# Altium PCB Board_EP1C6T144I8N.PcbDoc (part 2 of 2)
Units mm, origin at the board's own origin, x right, y up, seen from the top; angles counter-clockwise.
Board outline 69 x 86 mm, 2 copper layers (Top Layer, Bottom Layer), stack 1.569 mm thick; 125 components, 148 nets, 604 pads, 255 vias.
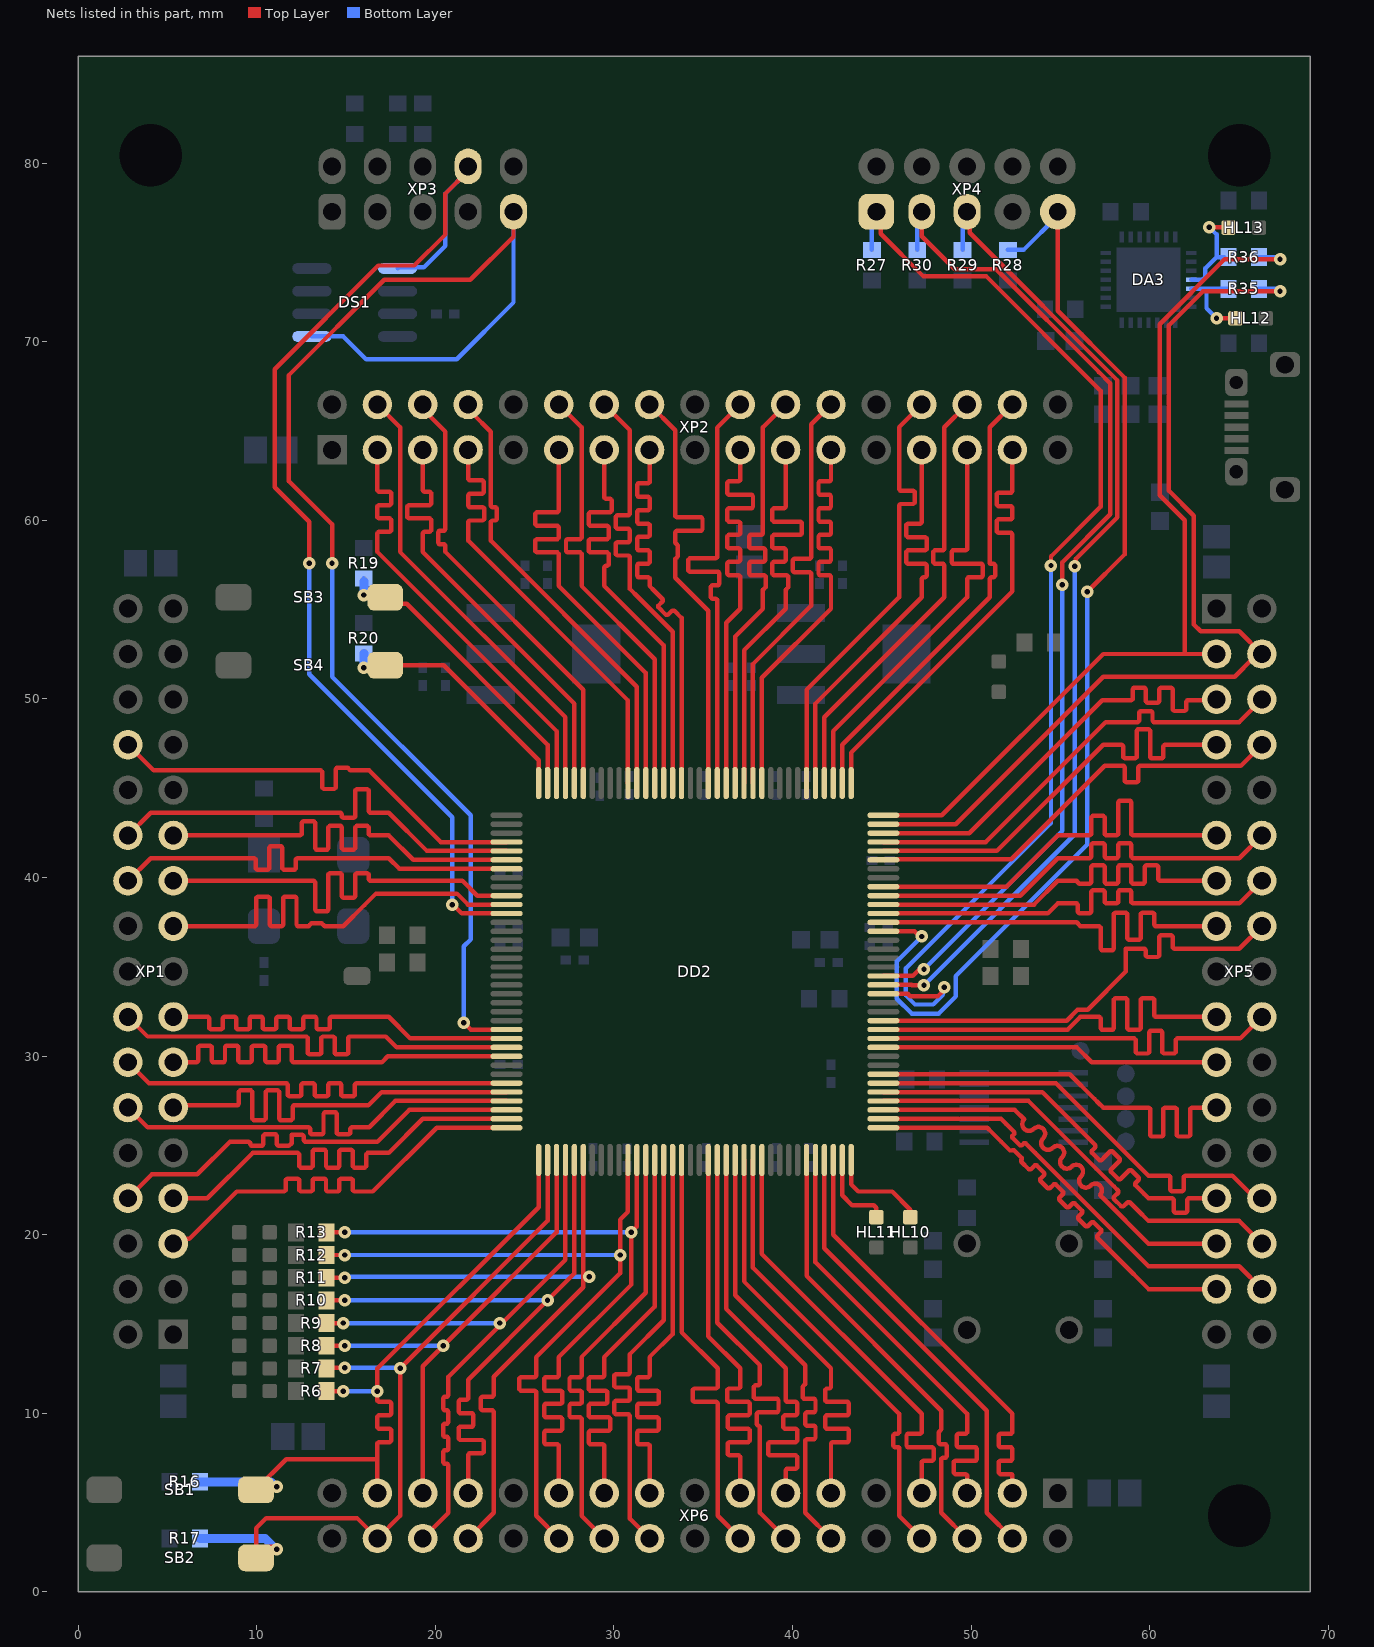
[diagram p2: the nets of this part, all layers, seen from the top]

## Via types
v1: diameter 0.7, hole 0.3, Top Layer to Bottom Layer, tented both sides, 254 vias
v2: diameter 0.6, hole 0.3, Top Layer to Bottom Layer, tented both sides, 1 vias

## Nets (pads, with @x,y where several pads share a name; then routed paths per layer and width w, separated by ;. In a path a pad name is that pad's centre, name@x,y a point inside that pad or via, vN(x,y) a via of type N, cw(c..) or ccw(c..) an arc to the next point about the centre after c; other vN are vias at no path point) (continued)
Pin4: DD2.4 XP1.28 | length 25.6
  Top Layer w0.25: XP1.28@2.79,47.44 4.23,46 7.362,46 13.595,46 13.67,45.925 13.67,45.034 13.745,44.959 14.345,44.959 14.42,45.034 14.42,46 14.42,46.075 14.495,46.15 15.095,46.15 15.17,46.075 15.245,46 15.92,46 16.295,46 20.305,41.99 DD2.4@23.99,41.99
Pin5: DD2.5 XP1.24 | length 25.6
  Top Layer w0.25: XP1.24@2.79,42.36 4.06,43.63 10.029,43.63 14.695,43.63 14.77,43.555 14.77,43.414 14.845,43.339 15.445,43.339 15.52,43.414 15.52,43.63 15.52,44.88 15.595,44.955 16.195,44.955 16.27,44.88 16.27,43.705 16.345,43.63 17.02,43.63 17.395,43.63 19.535,41.49 DD2.5@23.99,41.49
Pin6: DD2.6 XP1.23 | length 25.6
  Top Layer w0.25: XP1.23@5.33,42.36 8.759,42.36 12.445,42.36 12.52,42.435 12.52,43.076 12.595,43.151 13.195,43.151 13.27,43.076 13.27,42.36 13.27,41.644 13.345,41.569 13.945,41.569 14.02,41.644 14.02,42.36 14.02,42.814 14.095,42.889 14.695,42.889 14.77,42.814 14.77,42.36 14.77,41.644 14.845,41.569 15.445,41.569 15.52,41.644 15.52,42.36 15.52,42.814 15.595,42.889 16.195,42.889 16.27,42.814 16.27,42.435 16.345,42.36 17.02,42.36 17.395,42.36 18.765,40.99 DD2.6@23.99,40.99
Pin7: DD2.7 XP1.22 | length 25.6
  Top Layer w0.25: XP1.22@2.79,39.82 4.06,41.09 6.854,41.09 9.869,41.09 9.944,41.015 9.944,40.509 10.019,40.434 10.619,40.434 10.694,40.509 10.694,41.09 10.694,41.671 10.769,41.746 11.369,41.746 11.444,41.671 11.444,41.09 11.444,40.509 11.519,40.434 12.119,40.434 12.194,40.509 12.194,41.015 12.269,41.09 12.569,41.09 17.395,41.09 17.995,40.49 DD2.7@23.99,40.49
Pin10: DD2.10 XP1.21 | length 25.6
  Top Layer w0.25: XP1.21@5.33,39.82 12.823,39.82 13.195,39.82 13.27,39.745 13.27,38.196 13.345,38.121 13.945,38.121 14.02,38.196 14.02,39.82 14.02,40.174 14.095,40.249 14.695,40.249 14.77,40.174 14.77,39.82 14.77,38.952 14.845,38.877 15.445,38.877 15.52,38.952 15.52,39.82 15.52,40.174 15.595,40.249 16.195,40.249 16.27,40.174 16.27,39.895 16.345,39.82 17.02,39.82 17.395,39.82 21.521,39.82 22.351,38.99 DD2.10@23.99,38.99
Pin11: DD2.11 XP1.19 | length 26.1
  Top Layer w0.25: XP1.19@5.33,37.28 7.235,37.28 9.905,37.28 9.98,37.355 9.98,38.862 10.055,38.937 10.655,38.937 10.73,38.862 10.73,37.355 10.805,37.28 11.405,37.28 11.48,37.355 11.48,38.862 11.555,38.937 12.155,38.937 12.23,38.862 12.23,37.355 12.305,37.28 12.905,37.28 12.98,37.355 13.055,37.43 13.655,37.43 13.73,37.355 13.805,37.28 14.48,37.28 14.855,37.28 16.065,38.49 16.681,39.106 21.214,39.106 21.83,38.49 DD2.11@23.99,38.49
Pin12: DD2.12 DS1.1 XP3.8 | length 62.6
  Top Layer w0.25: v1(12.95,57.6) 12.95,59.919 11.007,61.862 11.007,68.472 16.81,74.275 17.572,74.275 18.83,74.275 20.57,76.015 20.57,78.305 21.84,79.575 XP3.8@21.84,79.825 ; v1(20.955,38.481) 20.998,38.481 21.489,37.99 DD2.12@23.99,37.99
  Bottom Layer w0.25: v1(12.95,57.6) 12.95,51.389 20.955,43.384 v1(20.955,38.481) ; DS1.1@17.89,74.11 17.955,74.175 19.365,74.175 20.57,75.38 20.57,78.305 21.84,79.575 XP3.8@21.84,79.825
Pin25: DD2.25 DS1.5 XP3.9 | length 78.6
  Top Layer w0.25: v1(14.22,57.6) 14.22,59.78 11.807,62.193 11.807,68.141 17.141,73.475 21.967,73.475 24.38,75.888 XP3.9@24.38,77.285 ; v1(21.59,31.877) 21.595,31.877 21.982,31.49 DD2.25@23.99,31.49
  Bottom Layer w0.25: DS1.5@13.09,70.3 14.855,70.3 16.125,69.03 21.205,69.03 24.38,72.205 XP3.9@24.38,77.285 ; v1(14.22,57.6) 14.22,51.25 21.98,43.49 21.98,36.536 21.59,36.146 v1(21.59,31.877)
Pin26: DD2.26 XP1.15 | length 25.3
  Top Layer w0.25: XP1.15@5.33,32.2 5.838,32.2 7.274,32.2 7.349,32.125 7.349,31.575 7.424,31.5 8.024,31.5 8.099,31.575 8.099,32.125 8.174,32.2 8.774,32.2 8.849,32.125 8.849,31.575 8.924,31.5 9.524,31.5 9.599,31.575 9.599,32.125 9.674,32.2 10.274,32.2 10.349,32.125 10.349,31.575 10.424,31.5 11.024,31.5 11.099,31.575 11.099,32.125 11.174,32.2 11.774,32.2 11.849,32.125 11.849,31.575 11.924,31.5 12.524,31.5 12.599,31.575 12.599,32.125 12.674,32.2 13.274,32.2 13.349,32.125 13.349,31.575 13.424,31.5 14.024,31.5 14.099,31.575 14.099,32.125 14.174,32.2 14.474,32.2 17.395,32.2 18.605,30.99 DD2.26@23.99,30.99
Pin27: DD2.27 XP1.16 | length 25.6
  Top Layer w0.25: XP1.16@2.79,32.2 3.89,31.1 7.489,31.1 12.79,31.1 12.865,31.025 12.865,30.174 12.94,30.099 13.54,30.099 13.615,30.174 13.615,31.025 13.69,31.1 14.29,31.1 14.365,31.025 14.365,30.174 14.44,30.099 15.04,30.099 15.115,30.174 15.115,31.025 15.19,31.1 15.49,31.1 17.225,31.1 17.835,30.49 DD2.27@23.99,30.49
Pin28: DD2.28 XP1.13 | length 25.6
  Top Layer w0.25: XP1.13@5.33,29.66 5.838,29.66 6.651,29.66 6.726,29.735 6.726,30.518 6.801,30.593 7.401,30.593 7.476,30.518 7.476,29.735 7.551,29.66 8.151,29.66 8.226,29.735 8.226,30.518 8.301,30.593 8.901,30.593 8.976,30.518 8.976,29.735 9.051,29.66 9.651,29.66 9.726,29.735 9.726,30.518 9.801,30.593 10.401,30.593 10.476,30.518 10.476,29.735 10.551,29.66 11.151,29.66 11.226,29.735 11.226,30.518 11.301,30.593 11.901,30.593 11.976,30.518 11.976,29.735 12.051,29.66 12.726,29.66 13.476,29.66 14.226,29.66 14.601,29.66 17.014,29.66 17.344,29.99 DD2.28@23.99,29.99
Pin31: DD2.31 XP1.14 | length 25.6
  Top Layer w0.25: XP1.14@2.79,29.66 3.97,28.48 7.743,28.48 11.671,28.48 11.746,28.405 11.746,27.822 11.821,27.747 12.421,27.747 12.496,27.822 12.496,28.405 12.571,28.48 13.171,28.48 13.246,28.405 13.246,27.822 13.321,27.747 13.921,27.747 13.996,27.822 13.996,28.405 14.071,28.48 14.671,28.48 14.746,28.405 14.746,27.822 14.821,27.747 15.421,27.747 15.496,27.822 15.496,28.405 15.571,28.48 15.871,28.48 23.98,28.48 DD2.31@23.99,28.49
Pin32: DD2.32 XP1.11 | length 25.2
  Top Layer w0.25: XP1.11@5.33,27.12 5.463,27.253 8.632,27.253 8.932,27.253 9.007,27.328 9.007,28.005 9.082,28.08 9.682,28.08 9.757,28.005 9.757,27.253 9.757,26.495 9.832,26.42 10.432,26.42 10.507,26.495 10.507,27.253 10.507,28.005 10.582,28.08 11.182,28.08 11.257,28.005 11.257,27.253 11.257,26.495 11.332,26.42 11.932,26.42 12.007,26.495 12.007,27.178 12.082,27.253 15.236,27.253 16.258,27.253 16.995,27.99 DD2.32@23.99,27.99
Pin33: DD2.33 XP1.12 | length 25.2
  Top Layer w0.25: XP1.12@2.79,27.12 3.89,26.02 10.664,26.02 12.917,26.02 12.992,25.945 12.992,25.69 13.067,25.615 13.667,25.615 13.742,25.69 13.742,26.02 13.742,26.778 13.817,26.853 14.417,26.853 14.492,26.778 14.492,26.02 14.492,25.69 14.567,25.615 15.167,25.615 15.242,25.69 15.242,25.945 15.317,26.02 15.617,26.02 16.295,26.02 17.765,27.49 DD2.33@23.99,27.49
Pin34: DD2.34 XP1.8 | length 25.3
  Top Layer w0.25: XP1.8@2.79,22.04 4.133,23.383 6.673,23.383 8.505,25.215 8.88,25.215 9.555,25.215 9.63,25.14 9.63,25.055 9.705,24.98 10.305,24.98 10.38,25.055 10.38,25.215 10.38,25.545 10.455,25.62 11.055,25.62 11.13,25.545 11.13,25.215 11.13,25.055 11.205,24.98 11.805,24.98 11.955,25.13 11.955,25.595 12.555,25.595 12.63,25.52 12.63,25.29 12.705,25.215 12.823,25.215 16.76,25.215 18.535,26.99 DD2.34@23.99,26.99
Pin35: DD2.35 XP1.7 | length 25.6
  Top Layer w0.25: XP1.7@5.33,22.04 7.235,22.04 9.775,24.58 10.918,24.58 12.306,24.58 12.381,24.505 12.381,23.836 12.456,23.761 13.056,23.761 13.131,23.836 13.131,24.58 13.131,24.689 13.206,24.764 13.806,24.764 13.881,24.689 13.881,24.58 13.881,23.836 13.956,23.761 14.556,23.761 14.631,23.836 14.631,24.58 14.631,24.689 14.706,24.764 15.306,24.764 15.381,24.689 15.381,24.58 15.381,23.836 15.456,23.761 16.056,23.761 16.131,23.836 16.131,24.505 16.206,24.58 16.506,24.58 17.395,24.58 19.305,26.49 DD2.35@23.99,26.49
Pin36: DD2.36 XP1.5 | length 25.1
  Top Layer w0.25: XP1.5@5.33,19.5 5.598,19.768 6.233,19.768 8.886,22.421 9.394,22.421 11.556,22.421 11.631,22.496 11.631,23.067 11.706,23.142 12.306,23.142 12.381,23.067 12.381,22.496 12.456,22.421 13.056,22.421 13.131,22.496 13.131,23.067 13.206,23.142 13.806,23.142 13.881,23.067 13.881,22.496 13.956,22.421 14.556,22.421 14.631,22.496 14.631,23.067 14.706,23.142 15.306,23.142 15.381,23.067 15.381,22.496 15.456,22.421 16.131,22.421 16.506,22.421 20.075,25.99 DD2.36@23.99,25.99
Pin37: DD2.37 R6.2 R16.2 SB1.2 XP6.31 | length 40.6
  Top Layer w0.25: SB1.2@9.965,5.715 9.965,5.745 11.655,7.435 16.76,7.435 ; R6.2@13.905,11.245 v1(14.855,11.245) ; XP6.31@16.76,5.53 16.76,7.435 ; DD2.37@25.79,24.19 25.79,21.545 16.76,12.515 16.76,12.14 16.76,11.39 16.76,10.715 16.835,10.64 17.46,10.64 17.535,10.565 17.535,9.965 17.46,9.89 16.835,9.89 16.76,9.815 16.76,9.215 16.835,9.14 17.46,9.14 17.535,9.065 17.535,8.465 17.46,8.39 16.835,8.39 16.76,8.315 16.76,7.435
  Top Layer w0.5: SB1.2@10.49,5.88 v1(11.125,5.88)
  Bottom Layer w0.25: v1(14.855,11.245) v1(16.76,11.245)
  Bottom Layer w0.5: R16.2@6.815,6.165 10.786,6.165 11.071,5.88 v1(11.125,5.88)
Pin38: DD2.38 R7.2 R17.2 SB2.2 XP6.32 | length 43.6
  Top Layer w0.25: SB2.2@9.965,1.905 9.965,3.565 10.533,4.133 15.617,4.133 XP6.32@16.76,2.99 18.03,4.26 v1(18.03,12.515) ; R7.2@13.905,12.515 13.95,12.56 v1(14.925,12.56) ; v1@18.093,12.578 26.29,20.775 DD2.38@26.29,24.19
  Top Layer w0.5: SB2.2@10.49,2.395 v1(11.125,2.395)
  Bottom Layer w0.25: v1(14.925,12.56) v1@18.03,12.56
  Bottom Layer w0.5: R17.2@6.815,2.99 10.476,2.99 11.071,2.395 v1(11.125,2.395)
Pin39: DD2.39 R8.2 XP6.29 | length 28.3
  Top Layer w0.25: R8.2@13.905,13.785 v1(14.925,13.785) ; XP6.29@19.3,5.53 19.3,12.642 v1(20.443,13.785) 26.79,20.132 DD2.39@26.79,24.19
  Bottom Layer w0.25: v1(14.925,13.785) v1(20.443,13.785)
Pin40: DD2.40 R9.2 XP6.30 | length 35.5
  Top Layer w0.25: R9.2@13.905,15.055 v1(14.855,15.055) ; XP6.30@19.3,2.99 20.74,4.43 20.74,6.8 20.74,7.1 20.665,7.175 20.516,7.175 20.441,7.25 20.441,7.85 20.516,7.925 20.665,7.925 20.74,8 20.74,8.6 20.665,8.675 20.516,8.675 20.441,8.75 20.441,9.35 20.516,9.425 20.665,9.425 20.74,9.5 20.74,10.1 20.665,10.175 20.516,10.175 20.441,10.25 20.441,10.85 20.516,10.925 20.665,10.925 20.74,11 20.74,11.675 20.74,12.05 27.29,18.6 DD2.40@27.29,24.19
  Bottom Layer w0.25: v1(14.855,15.055) v1(23.618,15.055)
Pin41: DD2.41 R10.2 XP6.27 | length 37.5
  Top Layer w0.25: R10.2@13.905,16.325 v1(14.925,16.325) ; XP6.27@21.84,5.53 21.84,6.165 21.84,7.68 21.915,7.755 22.636,7.755 22.711,7.83 22.711,8.43 22.636,8.505 21.84,8.505 21.384,8.505 21.309,8.58 21.309,9.18 21.384,9.255 21.84,9.255 22.064,9.255 22.139,9.33 22.139,9.93 22.064,10.005 21.84,10.005 21.384,10.005 21.309,10.08 21.309,10.68 21.384,10.755 21.765,10.755 21.84,10.83 21.84,11.505 21.84,11.88 v1(26.285,16.325) 27.79,17.83 DD2.41@27.79,24.19
  Bottom Layer w0.25: v1(14.925,16.325) v1(26.285,16.325)
Pin42: DD2.42 R11.2 XP6.28 | length 40.2
  Top Layer w0.25: R11.2@13.905,17.595 v1(14.925,17.595) ; XP6.28@21.84,2.99 23.28,4.43 23.28,8.07 23.28,10.1 23.205,10.175 22.629,10.175 22.554,10.25 22.554,10.85 22.629,10.925 23.205,10.925 23.28,11 23.28,11.675 23.28,12.05 28.29,17.06 v1@28.29,17.653 ; DD2.42@28.29,24.19 v1@28.29,17.653 ; v1(28.623,17.653) v1@28.29,17.653
  Bottom Layer w0.25: v1(14.925,17.595) 14.983,17.653 v1(28.623,17.653)
Pin47: DD2.47 R12.2 XP6.24 | length 42
  Top Layer w0.25: R12.2@13.905,18.865 v1(14.925,18.865) ; XP6.24@26.92,2.99 25.65,4.26 25.65,7.435 25.65,11.2 25.575,11.275 24.784,11.275 24.709,11.35 24.709,11.95 24.784,12.025 25.575,12.025 25.65,12.1 25.65,12.775 25.65,13.15 30.349,17.849 30.349,20.844 30.79,21.285 DD2.47@30.79,24.19
  Bottom Layer w0.25: v1(14.925,18.865) v1(30.349,18.865)
Pin48: DD2.48 R13.2 XP6.23 | length 42.7
  Top Layer w0.25: R13.2@13.905,20.135 v1(14.925,20.135) ; XP6.23@26.92,5.53 26.92,6.8 26.92,8.2 26.845,8.275 26.169,8.275 26.094,8.35 26.094,8.95 26.169,9.025 26.92,9.025 27.026,9.025 27.101,9.1 27.101,9.7 27.026,9.775 26.92,9.775 26.169,9.775 26.094,9.85 26.094,10.45 26.169,10.525 26.92,10.525 27.026,10.525 27.101,10.6 27.101,11.2 27.026,11.275 26.92,11.275 26.169,11.275 26.094,11.35 26.094,11.95 26.169,12.025 26.845,12.025 26.92,12.1 26.92,12.775 26.92,13.15 30.984,17.214 30.984,20.15 31.29,20.456 DD2.48@31.29,24.19
  Bottom Layer w0.25: v1(14.925,20.135) v1(30.984,20.135)
Pin49: DD2.49 XP6.22 | length 25.6
  Top Layer w0.25: XP6.22@29.46,2.99 28.19,4.26 28.19,6.8 28.19,9.7 28.115,9.775 27.591,9.775 27.516,9.85 27.516,10.45 27.591,10.525 28.115,10.525 28.19,10.6 28.19,11.2 28.115,11.275 27.591,11.275 27.516,11.35 27.516,11.95 27.591,12.025 28.115,12.025 28.19,12.1 28.19,12.775 28.19,13.15 31.79,16.75 DD2.49@31.79,24.19
Pin50: DD2.50 XP6.21 | length 25.5
  Top Layer w0.25: XP6.21@29.46,5.53 29.46,6.8 29.46,8.2 29.385,8.275 28.665,8.275 28.59,8.35 28.59,8.95 28.665,9.025 29.46,9.025 29.711,9.025 29.786,9.1 29.786,9.7 29.711,9.775 29.46,9.775 28.665,9.775 28.59,9.85 28.59,10.45 28.665,10.525 29.46,10.525 29.556,10.525 29.631,10.6 29.631,11.2 29.556,11.275 29.46,11.275 28.665,11.275 28.59,11.35 28.59,11.95 28.665,12.025 29.385,12.025 29.46,12.1 29.46,12.775 29.46,13.15 32.29,15.98 DD2.50@32.29,24.19
Pin51: DD2.51 XP6.20 | length 25.6
  Top Layer w0.25: XP6.20@32,2.99 30.9,4.09 30.9,6.8 30.9,9.87 30.825,9.945 30.106,9.945 30.031,10.02 30.031,10.62 30.106,10.695 30.825,10.695 30.9,10.77 30.9,11.37 30.825,11.445 30.106,11.445 30.031,11.52 30.031,12.12 30.106,12.195 30.825,12.195 30.9,12.27 30.9,12.945 30.9,13.32 32.79,15.21 DD2.51@32.79,24.19
Pin52: DD2.52 XP6.19 | length 24.9
  Top Layer w0.25: XP6.19@32,5.53 32,8.07 32,8.2 31.925,8.275 31.375,8.275 31.3,8.35 31.3,8.95 31.375,9.025 32,9.025 32.435,9.025 32.51,9.1 32.51,9.7 32.435,9.775 32,9.775 31.375,9.775 31.3,9.85 31.3,10.45 31.375,10.525 32,10.525 32.435,10.525 32.51,10.6 32.51,11.2 32.435,11.275 32,11.275 31.375,11.275 31.3,11.35 31.3,11.95 31.375,12.025 31.925,12.025 32,12.1 32,12.775 32,13.15 33.29,14.44 DD2.52@33.29,24.19
Pin53: DD2.53 XP6.16 | length 25.1
  Top Layer w0.25: DD2.53@33.79,24.19 33.79,14.535 35.81,12.515 35.81,12.14 35.81,11.465 35.735,11.39 34.505,11.39 34.43,11.315 34.43,10.715 34.505,10.64 35.735,10.64 35.81,10.565 35.81,6.8 35.81,4.26 XP6.16@37.08,2.99
Pin56: DD2.56 XP6.15 | length 25.1
  Top Layer w0.25: DD2.56@35.29,24.19 35.29,14.305 37.08,12.515 37.08,12.14 37.08,11.465 37.005,11.39 36.436,11.39 36.361,11.315 36.361,10.715 36.436,10.64 37.08,10.64 37.524,10.64 37.599,10.565 37.599,9.965 37.524,9.89 37.08,9.89 36.466,9.89 36.391,9.815 36.391,9.215 36.466,9.14 37.08,9.14 37.524,9.14 37.599,9.065 37.599,8.465 37.524,8.39 37.08,8.39 36.466,8.39 36.391,8.315 36.391,7.715 36.466,7.64 37.005,7.64 37.08,7.565 37.08,6.165 XP6.15@37.08,5.53
Pin57: DD2.57 XP6.14 | length 25.5
  Top Layer w0.25: DD2.57@35.79,24.19 35.79,15.075 38.18,12.685 38.18,12.31 38.18,11.635 38.105,11.56 37.92,11.56 37.845,11.485 37.845,10.885 37.92,10.81 38.18,10.81 39.145,10.81 39.22,10.735 39.22,10.135 39.145,10.06 38.18,10.06 38.074,10.06 37.999,9.985 37.999,9.385 38.074,9.31 38.105,9.31 38.18,9.235 38.18,7.435 38.18,4.43 XP6.14@39.62,2.99
Pin58: DD2.58 XP6.13 | length 25.6
  Top Layer w0.25: DD2.58@36.29,24.19 36.29,15.845 39.62,12.515 39.62,12.14 39.62,11.39 39.62,10.715 39.695,10.64 40.188,10.64 40.263,10.565 40.263,9.965 40.188,9.89 39.62,9.89 39.57,9.89 39.495,9.815 39.495,9.215 39.57,9.14 39.62,9.14 40.188,9.14 40.263,9.065 40.263,8.465 40.188,8.39 39.62,8.39 38.712,8.39 38.637,8.315 38.637,7.715 38.712,7.64 39.62,7.64 40.188,7.64 40.263,7.565 40.263,6.965 40.188,6.89 39.695,6.89 39.62,6.815 39.62,6.8 XP6.13@39.62,5.53
Pin59: DD2.59 XP6.12 | length 25.6
  Top Layer w0.25: DD2.59@36.79,24.19 36.79,16.615 40.72,12.685 40.72,12.31 40.72,11.635 40.645,11.56 40.57,11.485 40.57,10.885 40.645,10.81 40.72,10.81 41.218,10.81 41.293,10.735 41.293,10.135 41.218,10.06 40.795,10.06 40.72,9.985 40.72,9.385 40.795,9.31 41.218,9.31 41.293,9.235 41.293,8.635 41.218,8.56 40.795,8.56 40.72,8.485 40.72,6.165 40.72,4.43 XP6.12@42.16,2.99
Pin60: DD2.60 XP6.11 | length 25.6
  Top Layer w0.25: DD2.60@37.29,24.19 37.29,17.385 42.16,12.515 42.16,12.14 42.16,11.465 42.085,11.39 41.908,11.39 41.833,11.315 41.833,10.715 41.908,10.64 42.16,10.64 43.089,10.64 43.164,10.565 43.164,9.965 43.089,9.89 42.16,9.89 41.908,9.89 41.833,9.815 41.833,9.215 41.908,9.14 42.16,9.14 43.089,9.14 43.164,9.065 43.164,8.465 43.089,8.39 42.235,8.39 42.16,8.315 42.16,6.8 XP6.11@42.16,5.53
Pin61: DD2.61 XP6.8 | length 25.6
  Top Layer w0.25: DD2.61@37.79,24.19 37.79,18.155 45.97,9.975 45.97,9.6 45.97,8.925 45.895,8.85 45.732,8.85 45.657,8.775 45.657,8.175 45.732,8.1 45.94,8.1 45.97,8.07 45.97,4.26 XP6.8@47.24,2.99
Pin62: DD2.62 XP6.7 | length 25.1
  Top Layer w0.25: DD2.62@38.29,24.19 38.29,18.925 47.24,9.975 47.24,9.6 47.24,8.925 47.165,8.85 46.462,8.85 46.387,8.775 46.387,8.175 46.462,8.1 47.24,8.1 47.834,8.1 47.909,8.025 47.909,7.425 47.834,7.35 47.315,7.35 47.24,7.275 47.24,6.8 XP6.7@47.24,5.53
Pin67: DD2.67 XP6.6 | length 25.6
  Top Layer w0.25: DD2.67@40.79,24.19 40.79,17.695 48.34,10.145 48.34,9.77 48.34,9.095 48.265,9.02 48.19,8.945 48.19,8.345 48.265,8.27 48.34,8.27 48.577,8.27 48.652,8.195 48.652,7.595 48.577,7.52 48.415,7.52 48.34,7.445 48.34,7.435 48.34,4.43 XP6.6@49.78,2.99
Pin68: DD2.68 XP6.5 | length 25.6
  Top Layer w0.25: DD2.68@41.29,24.19 41.29,18.465 49.78,9.975 49.78,9.6 49.78,8.925 49.705,8.85 49.274,8.85 49.199,8.775 49.199,8.175 49.274,8.1 49.78,8.1 50.257,8.1 50.332,8.025 50.332,7.425 50.257,7.35 49.78,7.35 49.12,7.35 49.045,7.275 49.045,6.675 49.12,6.6 49.705,6.6 49.78,6.525 XP6.5@49.78,5.53
Pin69: DD2.69 XP6.4 | length 25.6
  Top Layer w0.25: DD2.69@41.79,24.19 41.79,19.235 50.88,10.145 50.88,4.43 XP6.4@52.32,2.99
Pin70: DD2.70 XP6.3 | length 25.6
  Top Layer w0.25: DD2.70@42.29,24.19 42.29,20.005 52.32,9.975 52.32,9.6 52.32,8.925 52.245,8.85 51.625,8.85 51.55,8.775 51.55,8.175 51.625,8.1 52.245,8.1 52.32,8.025 52.32,7.425 52.245,7.35 51.625,7.35 51.55,7.275 51.55,6.675 51.625,6.6 52.277,6.6 52.32,6.557 XP6.3@52.32,5.53
Pin71: DD2.71 HL11.A | length 4.7
  Top Layer w0.25: DD2.71@42.79,24.19 42.79,22.21 43.341,21.659 44.554,21.659 44.7,21.513 HL11.A@44.7,20.985
Pin72: DD2.72 HL10.A | length 5.7
  Top Layer w0.25: DD2.72@43.29,24.19 43.29,22.815 43.684,22.421 45.589,22.421 46.605,21.405 HL10.A@46.605,20.985
Pin73: DD2.73 XP5.31 | length 25.6
  Top Layer w0.25: DD2.73@45.09,25.99 50.91,25.99 51.175,25.725 51.705,25.195 52.183,24.717 52.289,24.717 52.302,24.731 52.408,24.731 52.833,24.306 52.833,24.2 52.819,24.187 52.819,24.081 53.243,23.657 53.35,23.657 53.572,23.879 53.678,23.879 54.102,23.454 54.102,23.348 53.88,23.126 53.88,23.02 54.304,22.596 54.41,22.596 54.632,22.818 54.738,22.818 55.163,22.394 55.163,22.288 54.94,22.066 54.94,21.96 55.365,21.535 55.471,21.535 55.693,21.757 55.799,21.757 56.223,21.333 56.223,21.227 56.001,21.005 56.001,20.899 56.425,20.475 56.531,20.475 56.754,20.697 56.86,20.697 57.284,20.272 57.284,20.166 57.062,19.944 57.062,19.838 58.352,18.547 59.94,16.96 XP5.31@63.75,16.96
Pin74: DD2.74 XP5.32 | length 25.6
  Top Layer w0.25: DD2.74@45.09,26.49 51.68,26.49 51.945,26.225 52.422,25.748 52.422,25.641 52.32,25.539 52.32,25.433 52.744,25.009 52.85,25.009 52.953,25.111 53.059,25.111 53.59,24.58 59.94,18.23 65.02,18.23 XP5.32@66.29,16.96
Pin75: DD2.75 XP5.29 | length 25.5
  Top Layer w0.25: DD2.75@45.09,26.99 52.45,26.99 52.98,26.46 ccw(c53.245,26.195) 53.511,25.929 cw(c53.776,25.664) 54.041,25.399 ccw(c54.306,25.134) 54.571,24.869 cw(c54.836,24.604) 55.102,24.338 ccw(c55.367,24.073) 55.632,23.808 cw(c55.897,23.543) 56.162,23.278 ccw(c56.427,23.013) 56.693,22.747 cw(c56.958,22.482) 57.223,22.217 57.4,22.04 59.94,19.5 XP5.29@63.75,19.5 XP5.29@63.983,19.267
Pin76: DD2.76 XP5.30 | length 25.3
  Top Layer w0.25: DD2.76@45.09,27.49 53.22,27.49 58.035,22.675 58.247,22.463 58.247,22.357 58.001,22.111 58.001,22.005 58.425,21.58 58.531,21.58 58.777,21.826 58.884,21.826 59.305,21.405 59.94,20.77 65.02,20.77 XP5.30@66.29,19.5
Pin77: DD2.77 XP5.27 | length 25.6
  Top Layer w0.25: DD2.77@45.09,27.99 53.99,27.99 55.812,26.167 56.97,25.01 56.97,24.904 56.772,24.705 56.772,24.599 57.196,24.175 57.302,24.175 57.554,24.426 57.805,24.678 57.911,24.678 58.335,24.254 58.335,24.148 58.084,23.896 57.832,23.645 57.832,23.538 58.257,23.114 58.363,23.114 58.614,23.366 58.866,23.617 58.972,23.617 59.396,23.193 59.396,23.087 59.198,22.889 59.198,22.782 59.675,22.305 59.94,22.04 60.605,22.04 61.28,22.04 61.355,21.965 61.355,21.312 61.43,21.237 62.03,21.237 62.105,21.312 62.105,21.965 62.18,22.04 62.48,22.04 XP5.27@63.75,22.04
Pin78: DD2.78 XP5.28 | length 25.4
  Top Layer w0.25: DD2.78@45.09,28.49 54.76,28.49 59.94,23.31 61.09,23.31 61.165,23.235 61.165,22.515 61.24,22.44 61.84,22.44 61.915,22.515 61.915,23.235 61.99,23.31 62.289,23.31 64.639,23.31 65.693,22.256 66.074,22.256 XP5.28@66.29,22.04
Pin79: DD2.79 XP5.23 | length 25.6
  Top Layer w0.25: DD2.79@45.09,28.99 55.53,28.99 56.892,27.628 57.157,27.363 57.4,27.12 57.775,27.12 58.525,27.12 59.275,27.12 59.95,27.12 60.025,27.045 60.025,25.575 60.1,25.5 60.7,25.5 60.775,25.575 60.775,27.045 60.85,27.12 61.45,27.12 61.525,27.045 61.525,25.575 61.6,25.5 62.2,25.5 62.275,25.575 62.275,27.045 62.35,27.12 63.623,27.12 XP5.23@63.75,27.12
Pin82: DD2.82 XP5.21 | length 19
  Top Layer w0.25: DD2.82@45.09,30.49 55.935,30.49 56.765,29.66 XP5.21@63.75,29.66
Pin83: DD2.83 XP5.20 | length 25.6
  Top Layer w0.25: DD2.83@45.09,30.99 56.765,30.99 59.145,30.99 59.22,30.915 59.22,30.223 59.295,30.148 59.895,30.148 59.97,30.223 59.97,30.99 59.97,31.337 60.045,31.412 60.645,31.412 60.72,31.337 60.72,30.99 60.72,30.223 60.795,30.148 61.395,30.148 61.47,30.223 61.47,30.915 61.545,30.99 61.845,30.99 65.08,30.99 XP5.20@66.29,32.2
Pin84: DD2.84 XP5.19 | length 25.6
  Top Layer w0.25: DD2.84@45.09,31.49 55.42,31.49 56.13,32.2 56.505,32.2 57.18,32.2 57.255,32.125 57.255,31.562 57.33,31.487 57.93,31.487 58.005,31.562 58.005,32.2 58.005,33.173 58.08,33.248 58.68,33.248 58.755,33.173 58.755,32.2 58.755,31.562 58.83,31.487 59.43,31.487 59.505,31.562 59.505,32.2 59.505,33.173 59.58,33.248 60.18,33.248 60.255,33.173 60.255,32.275 60.33,32.2 61.21,32.2 XP5.19@63.75,32.2
Pin85: DD2.85 XP5.16 | length 26.3
  Top Layer w0.25: DD2.85@45.09,31.99 55.354,31.99 55.964,32.6 56.53,32.6 58.67,34.74 58.67,36.01 59.045,36.01 59.72,36.01 59.795,35.935 59.795,35.626 59.87,35.551 60.47,35.551 60.545,35.626 60.545,36.01 60.545,36.693 60.62,36.768 61.22,36.768 61.295,36.693 61.295,36.085 61.37,36.01 62.48,36.01 65.02,36.01 XP5.16@66.29,37.28
Pin96: DD2.96 XP5.15 | length 25.6
  Top Layer w0.25: DD2.96@45.09,37.49 55.92,37.49 56.13,37.28 56.505,37.28 57.18,37.28 57.255,37.205 57.255,36.017 57.33,35.942 57.93,35.942 58.005,36.017 58.005,37.28 58.005,37.968 58.08,38.043 58.68,38.043 58.755,37.968 58.755,37.28 58.755,36.592 58.83,36.517 59.43,36.517 59.505,36.592 59.505,37.28 59.505,37.968 59.58,38.043 60.18,38.043 60.255,37.968 60.255,37.355 60.33,37.28 62.48,37.28 XP5.15@63.75,37.28
Pin97: DD2.97 XP5.14 | length 25.6
  Top Layer w0.25: DD2.97@45.09,37.99 54.3,37.99 54.86,38.55 55.235,38.55 55.91,38.55 55.985,38.475 55.985,38.074 56.06,37.999 56.66,37.999 56.735,38.074 56.735,38.55 56.735,39.21 56.81,39.285 57.41,39.285 57.485,39.21 57.485,38.625 57.56,38.55 58.16,38.55 58.235,38.625 58.235,39.21 58.31,39.285 58.91,39.285 58.985,39.21 58.985,38.625 59.06,38.55 61.845,38.55 65.02,38.55 XP5.14@66.29,39.82
Pin98: DD2.98 XP5.13 | length 24.8
  Top Layer w0.25: DD2.98@45.09,38.49 53.53,38.49 54.86,39.82 55.235,39.82 55.91,39.82 55.985,39.745 55.985,39.731 56.06,39.656 56.66,39.656 56.735,39.731 56.735,39.82 56.735,40.615 56.81,40.69 57.41,40.69 57.485,40.615 57.485,39.82 57.485,39.731 57.56,39.656 58.16,39.656 58.235,39.731 58.235,39.82 58.235,40.615 58.31,40.69 58.91,40.69 58.985,40.615 58.985,39.82 58.985,39.731 59.06,39.656 59.66,39.656 59.735,39.731 59.735,39.82 59.735,40.615 59.81,40.69 60.41,40.69 60.485,40.615 60.485,39.895 60.56,39.82 61.21,39.82 XP5.13@63.75,39.82
Pin99: DD2.99 XP5.12 | length 25.6
  Top Layer w0.25: DD2.99@45.09,38.99 52.76,38.99 54.86,41.09 55.235,41.09 55.985,41.09 56.66,41.09 56.735,41.165 56.735,41.844 56.81,41.919 57.41,41.919 57.485,41.844 57.485,41.165 57.56,41.09 58.16,41.09 58.235,41.165 58.235,41.844 58.31,41.919 58.91,41.919 58.985,41.844 58.985,41.165 59.06,41.09 62.48,41.09 65.02,41.09 XP5.12@66.29,42.36
Pin100: DD2.100 XP5.11 | length 25.6
  Top Layer w0.25: DD2.100@45.09,39.49 51.99,39.49 54.86,42.36 55.235,42.36 55.985,42.36 56.66,42.36 56.735,42.435 56.735,43.376 56.81,43.451 57.41,43.451 57.485,43.376 57.485,42.435 57.56,42.36 58.16,42.36 58.235,42.435 58.235,44.226 58.31,44.301 58.91,44.301 58.985,44.226 58.985,42.435 59.06,42.36 62.48,42.36 XP5.11@63.75,42.36
Pin103: DD2.103 XP5.8 | length 25.6
  Top Layer w0.25: DD2.103@45.09,40.99 45.12,41.02 52.25,41.02 57.494,46.264 57.869,46.264 58.544,46.264 58.619,46.189 58.619,45.4 58.694,45.325 59.294,45.325 59.369,45.4 59.369,46.189 59.444,46.264 62.48,46.264 65.114,46.264 XP5.8@66.29,47.44
Pin104: DD2.104 XP5.7 | length 25.6
  Top Layer w0.25: DD2.104@45.09,41.49 51.45,41.49 57.4,47.44 57.775,47.44 58.45,47.44 58.525,47.365 58.525,46.746 58.6,46.671 59.2,46.671 59.275,46.746 59.275,47.44 59.275,48.224 59.35,48.299 59.95,48.299 60.025,48.224 60.025,47.44 60.025,46.75 60.1,46.675 60.7,46.675 60.775,46.75 60.775,47.365 60.85,47.44 61.845,47.44 XP5.7@63.75,47.44
Pin105: DD2.105 XP5.6 | length 25.6
  Top Layer w0.25: DD2.105@45.09,41.99 50.819,41.99 57.539,48.71 57.914,48.71 58.664,48.71 59.339,48.71 59.414,48.785 59.414,49.249 59.489,49.324 60.089,49.324 60.164,49.249 60.164,48.785 60.239,48.71 62.48,48.71 65.02,48.71 XP5.6@66.29,49.98
Pin106: DD2.106 XP5.5 | length 25.6
  Top Layer w0.25: DD2.106@45.09,42.49 49.91,42.49 57.343,49.923 58.67,49.923 58.97,49.923 59.045,49.998 59.045,50.558 59.12,50.633 59.72,50.633 59.795,50.558 59.795,49.923 59.795,49.873 59.87,49.798 60.47,49.798 60.545,49.873 60.545,49.923 60.545,50.558 60.62,50.633 61.22,50.633 61.295,50.558 61.295,49.923 61.295,49.402 61.37,49.327 61.97,49.327 62.045,49.402 62.045,49.848 62.12,49.923 62.48,49.923 63.693,49.923 XP5.5@63.75,49.98
Pin107: DD2.107 R35.2 XP5.4 | length 55.2
  Top Layer w0.25: DD2.107@45.09,42.99 49.14,42.99 57.4,51.25 64.766,51.25 65.82,52.304 66.074,52.304 XP5.4@66.29,52.52 65.02,53.79 62.861,53.79 62.48,54.171 62.48,60.267 61.083,61.664 61.083,70.935 62.988,72.84 v1(67.306,72.84)
  Bottom Layer w0.25: R35.2@66.124,72.967 67.179,72.967 v1(67.306,72.84)
Pin108: DD2.108 R36.2 XP5.3 | length 50.9
  Top Layer w0.25: DD2.108@45.09,43.49 48.37,43.49 57.4,52.52 61.972,52.52 ; XP5.3@63.75,52.52 61.972,52.52 ; v1(67.306,74.618) 64.2,74.618 60.575,70.993 60.575,61.41 61.972,60.013 61.972,52.52
  Bottom Layer w0.25: R36.2@66.124,74.745 67.179,74.745 v1(67.306,74.618)
Pin109: DD2.109 XP2.31 | length 25.5
  Top Layer w0.25: DD2.109@43.29,45.29 43.29,46.999 52.32,56.029 52.32,56.965 52.32,59.23 52.245,59.305 51.525,59.305 51.45,59.38 51.45,59.98 51.525,60.055 52.245,60.055 52.32,60.13 52.32,60.73 52.245,60.805 51.525,60.805 51.45,60.88 51.45,61.48 51.525,61.555 52.245,61.555 52.32,61.63 52.32,62.305 52.32,62.68 XP2.31@52.32,63.95
Pin110: DD2.110 XP2.32 | length 25.6
  Top Layer w0.25: DD2.110@42.79,45.29 42.79,47.435 51.05,55.695 51.05,56.07 51.05,56.745 51.125,56.82 51.271,56.82 51.346,56.895 51.346,57.495 51.271,57.57 51.08,57.57 51.05,57.6 51.05,65.22 XP2.32@52.32,66.49
Pin111: DD2.111 XP2.29 | length 25
  Top Layer w0.25: DD2.111@42.29,45.29 42.29,48.205 49.78,55.695 49.78,56.07 49.78,56.745 49.855,56.82 50.589,56.82 50.664,56.895 50.664,57.495 50.589,57.57 49.78,57.57 48.985,57.57 48.91,57.645 48.91,58.245 48.985,58.32 49.705,58.32 49.78,58.395 49.78,61.41 XP2.29@49.78,63.95
Pin112: DD2.112 XP2.30 | length 25.6
  Top Layer w0.25: DD2.112@41.79,45.29 41.79,48.975 48.51,55.695 48.51,56.07 48.51,56.82 48.51,57.495 48.435,57.57 47.971,57.57 47.896,57.645 47.896,58.245 47.971,58.32 48.435,58.32 48.51,58.395 48.51,61.41 48.51,65.22 XP2.30@49.78,66.49
Pin113: DD2.113 XP2.27 | length 25.3
  Top Layer w0.25: DD2.113@41.29,45.29 41.29,49.745 47.24,55.695 47.24,56.07 47.24,56.745 47.315,56.82 47.45,56.82 47.525,56.895 47.525,57.495 47.45,57.57 47.24,57.57 46.445,57.57 46.37,57.645 46.37,58.245 46.445,58.32 47.24,58.32 47.45,58.32 47.525,58.395 47.525,58.995 47.45,59.07 47.24,59.07 46.445,59.07 46.37,59.145 46.37,59.745 46.445,59.82 47.165,59.82 47.24,59.895 47.24,61.41 XP2.27@47.24,63.95
Pin114: DD2.114 XP2.28 | length 25.4
  Top Layer w0.25: DD2.114@40.79,45.29 40.79,50.515 45.97,55.695 45.97,57.6 45.97,57.92 45.97,58.67 45.97,59.42 45.97,60.17 45.97,60.845 46.045,60.92 46.765,60.92 46.84,60.995 46.84,61.595 46.765,61.67 46.045,61.67 45.97,61.745 45.97,62.045 45.97,65.22 XP2.28@47.24,66.49
Pin119: DD2.119 XP2.23 | length 25.2
  Top Layer w0.25: DD2.119@38.29,45.29 38.29,51.19 42.16,55.06 42.16,55.435 42.16,56.185 42.16,56.86 42.085,56.935 41.535,56.935 41.46,57.01 41.46,57.61 41.535,57.685 42.085,57.685 42.16,57.76 42.16,58.36 42.085,58.435 41.535,58.435 41.46,58.51 41.46,59.11 41.535,59.185 42.085,59.185 42.16,59.26 42.16,59.86 42.085,59.935 41.535,59.935 41.46,60.01 41.46,60.61 41.535,60.685 42.085,60.685 42.16,60.76 42.16,61.36 42.085,61.435 41.535,61.435 41.46,61.51 41.46,62.11 41.535,62.185 42.085,62.185 42.16,62.26 42.16,62.68 XP2.23@42.16,63.95
Pin120: DD2.120 XP2.24 | length 24.9
  Top Layer w0.25: DD2.120@37.79,45.29 37.79,51.96 41.06,55.23 41.06,55.605 41.06,56.355 41.06,57.03 40.985,57.105 40.095,57.105 40.02,57.18 40.02,57.78 40.095,57.855 40.985,57.855 41.06,57.93 41.06,62.11 41.06,65.39 XP2.24@42.16,66.49
Pin121: DD2.121 XP2.21 | length 25.6
  Top Layer w0.25: DD2.121@37.29,45.29 37.29,52.73 39.62,55.06 39.62,55.435 39.62,56.11 39.695,56.185 39.77,56.26 39.77,56.86 39.695,56.935 39.62,56.935 38.954,56.935 38.879,57.01 38.879,57.61 38.954,57.685 39.545,57.685 39.62,57.76 39.62,58.36 39.545,58.435 38.954,58.435 38.879,58.51 38.879,59.11 38.954,59.185 39.62,59.185 40.456,59.185 40.531,59.26 40.531,59.86 40.456,59.935 39.62,59.935 38.954,59.935 38.879,60.01 38.879,60.61 38.954,60.685 39.545,60.685 39.62,60.76 39.62,61.41 XP2.21@39.62,63.95
Pin122: DD2.122 XP2.22 | length 25.6
  Top Layer w0.25: DD2.122@36.79,45.29 36.79,53.5 38.35,55.06 38.35,55.435 38.35,56.11 38.425,56.185 38.5,56.26 38.5,56.86 38.425,56.935 38.35,56.935 37.647,56.935 37.572,57.01 37.572,57.61 37.647,57.685 38.35,57.685 38.4,57.685 38.475,57.76 38.475,58.36 38.4,58.435 38.35,58.435 37.647,58.435 37.572,58.51 37.572,59.11 37.647,59.185 38.275,59.185 38.35,59.26 38.35,62.045 38.35,65.22 XP2.22@39.62,66.49
Pin123: DD2.123 XP2.19 | length 25.6
  Top Layer w0.25: DD2.123@36.29,45.29 36.29,54.27 37.08,55.06 37.08,55.435 37.08,56.185 37.08,56.86 37.005,56.935 36.423,56.935 36.348,57.01 36.348,57.61 36.423,57.685 37.005,57.685 37.08,57.76 37.08,58.36 37.005,58.435 36.423,58.435 36.348,58.51 36.348,59.11 36.423,59.185 37.005,59.185 37.08,59.26 37.08,59.86 37.005,59.935 36.423,59.935 36.348,60.01 36.348,60.61 36.423,60.685 37.08,60.685 37.717,60.685 37.792,60.76 37.792,61.36 37.717,61.435 37.08,61.435 36.423,61.435 36.348,61.51 36.348,62.11 36.423,62.185 37.005,62.185 37.08,62.26 37.08,62.68 XP2.19@37.08,63.95
Pin124: DD2.124 XP2.20 | length 25.6
  Top Layer w0.25: DD2.124@35.79,45.29 35.79,55.245 35.79,55.545 35.715,55.62 35.51,55.62 35.435,55.695 35.435,56.295 35.51,56.37 35.79,56.37 35.84,56.37 35.915,56.445 35.915,57.045 35.84,57.12 35.79,57.12 34.245,57.12 34.17,57.195 34.17,57.795 34.245,57.87 35.715,57.87 35.79,57.945 35.79,63.315 35.79,65.2 XP2.20@37.08,66.49
Pin125: DD2.125 XP2.16 | length 25.6
  Top Layer w0.25: XP2.16@32,66.49 33.44,65.05 33.44,62.68 33.44,60.245 33.515,60.17 34.89,60.17 34.965,60.095 34.965,59.495 34.89,59.42 33.515,59.42 33.44,59.345 33.44,58.745 33.515,58.67 33.59,58.595 33.59,57.995 33.515,57.92 33.44,57.845 33.44,57.17 33.44,56.795 35.29,54.945 DD2.125@35.29,45.29
Pin128: DD2.128 XP2.15 | length 25.1
  Top Layer w0.25: XP2.15@32,63.95 32,63.575 32,62.825 32,62.15 31.925,62.075 31.375,62.075 31.3,62 31.3,61.4 31.375,61.325 31.925,61.325 32,61.25 32,60.65 31.925,60.575 31.375,60.575 31.3,60.5 31.3,59.9 31.375,59.825 31.925,59.825 32,59.75 32,59.15 31.925,59.075 31.375,59.075 31.3,59 31.3,58.4 31.375,58.325 31.925,58.325 32,58.25 32,57.65 31.925,57.575 31.375,57.575 31.3,57.5 31.3,56.9 31.375,56.825 31.925,56.825 32,56.75 32,56.33 32.265,56.065 32.742,55.588 32.742,55.481 32.496,55.235 32.496,55.129 32.921,54.705 33.027,54.705 33.273,54.951 33.379,54.951 33.79,54.54 33.79,54.165 33.79,53.79 DD2.128@33.79,45.29
Pin129: DD2.129 XP2.14 | length 25.6
  Top Layer w0.25: XP2.14@29.46,66.49 30.9,65.05 30.9,61.41 30.9,60.36 30.825,60.285 30.193,60.285 30.118,60.21 30.118,59.61 30.193,59.535 30.825,59.535 30.9,59.46 30.9,58.86 30.825,58.785 30.193,58.785 30.118,58.71 30.118,58.11 30.193,58.035 30.825,58.035 30.9,57.96 30.9,57.285 30.9,56.535 30.9,56.16 31.365,55.695 33.29,53.77 DD2.129@33.29,45.29
Pin130: DD2.130 XP2.13 | length 24.9
  Top Layer w0.25: XP2.13@29.46,63.95 29.46,61.41 29.46,61.28 29.535,61.205 29.798,61.205 29.873,61.13 29.873,60.53 29.798,60.455 29.46,60.455 28.665,60.455 28.59,60.38 28.59,59.78 28.665,59.705 29.46,59.705 29.643,59.705 29.718,59.63 29.718,59.03 29.643,58.955 29.46,58.955 28.665,58.955 28.59,58.88 28.59,58.28 28.665,58.205 29.46,58.205 29.643,58.205 29.718,58.13 29.718,57.53 29.643,57.455 29.535,57.455 29.46,57.38 29.46,56.705 29.46,56.33 32.79,53 DD2.130@32.79,45.29
Pin131: DD2.131 XP2.12 | length 25
  Top Layer w0.25: XP2.12@26.92,66.49 28.19,65.22 28.19,62.045 28.19,59.03 28.115,58.955 27.395,58.955 27.32,58.88 27.32,58.28 27.395,58.205 28.115,58.205 28.19,58.13 28.19,57.455 28.19,56.705 28.19,56.33 32.29,52.23 DD2.131@32.29,45.29
Pin132: DD2.132 XP2.11 | length 25.6
  Top Layer w0.25: XP2.11@26.92,63.95 26.92,61.41 26.92,60.53 26.845,60.455 25.686,60.455 25.611,60.38 25.611,59.78 25.686,59.705 26.845,59.705 26.92,59.63 26.92,59.03 26.845,58.955 25.686,58.955 25.611,58.88 25.611,58.28 25.686,58.205 26.845,58.205 26.92,58.13 26.92,57.455 26.92,56.705 26.92,56.33 31.79,51.46 DD2.132@31.79,45.29
Pin133: DD2.133 XP2.8 | length 25.6
  Top Layer w0.25: XP2.8@21.84,66.49 22.056,66.274 22.056,66.02 23.11,64.966 23.11,61.918 23.11,60.82 23.185,60.745 23.374,60.745 23.449,60.67 23.449,60.07 23.374,59.995 23.185,59.995 23.11,59.92 23.11,59.245 23.11,58.87 31.29,50.69 DD2.133@31.29,45.29
Pin134: DD2.134 XP2.7 | length 25.6
  Top Layer w0.25: XP2.7@21.84,63.95 21.84,63.315 21.84,62.995 21.84,62.32 21.915,62.245 22.635,62.245 22.71,62.17 22.71,61.57 22.635,61.495 21.915,61.495 21.84,61.42 21.84,60.82 21.915,60.745 22.664,60.745 22.739,60.67 22.739,60.07 22.664,59.995 21.915,59.995 21.84,59.92 21.84,59.245 21.84,58.87 30.79,49.92 DD2.134@30.79,45.29
Pin139: DD2.139 XP2.6 | length 25.6
  Top Layer w0.25: XP2.6@19.3,66.49 19.516,66.274 19.516,66.02 20.57,64.966 20.57,60.545 20.57,60.17 20.57,59.495 20.495,59.42 20.23,59.42 20.155,59.345 20.155,58.745 20.23,58.67 20.495,58.67 20.57,58.595 20.57,58.235 28.29,50.515 DD2.139@28.29,45.29
Pin140: DD2.140 XP2.5 | length 25.4
  Top Layer w0.25: XP2.5@19.3,63.95 19.3,62.045 19.3,61.685 19.375,61.61 19.69,61.61 19.765,61.535 19.765,60.935 19.69,60.86 19.3,60.86 18.505,60.86 18.43,60.785 18.43,60.185 18.505,60.11 19.3,60.11 19.69,60.11 19.765,60.035 19.765,59.435 19.69,59.36 19.375,59.36 19.3,59.285 19.3,58.61 19.3,58.235 27.79,49.745 DD2.140@27.79,45.29
Pin141: DD2.141 XP2.4 | length 25.6
  Top Layer w0.25: XP2.4@16.76,66.49 18.03,65.22 18.03,58.235 27.29,48.975 DD2.141@27.29,45.29
Pin142: DD2.142 XP2.3 | length 25.6
  Top Layer w0.25: XP2.3@16.76,63.95 16.76,62.68 16.76,61.685 16.835,61.61 17.46,61.61 17.535,61.535 17.535,60.935 17.46,60.86 16.835,60.86 16.76,60.785 16.76,60.185 16.835,60.11 17.46,60.11 17.535,60.035 17.535,59.435 17.46,59.36 16.835,59.36 16.76,59.285 16.76,58.61 16.76,58.235 26.79,48.205 DD2.142@26.79,45.29
Pin143: DD2.143 R19.2 SB3.2 | length 17
  Top Layer w0.25: SB3.2@16.919,55.66 17.25,55.33 18.395,55.33 26.29,47.435 DD2.143@26.29,45.29
  Top Layer w0.5: v1(15.998,55.822) 17.073,55.822 SB3.2@17.2,55.695
  Bottom Layer w0.25: R19.2@15.96,56.712 R19.2@15.998,56.75
  Bottom Layer w0.5: v1(15.998,55.822) R19.2@15.998,56.584
Pin144: DD2.144 R20.2 SB4.2 | length 14.4
  Top Layer w0.25: SB4.2@17.2,51.885 20.47,51.885 25.79,46.565 DD2.144@25.79,45.29
  Top Layer w0.5: v1(15.998,51.758) 16.819,51.758 16.946,51.631 SB4.2@17.2,51.885
  Bottom Layer w0.25: R20.2@15.889,52.45 R20.2@15.998,52.559
  Bottom Layer w0.5: v1(15.998,51.758) R20.2@15.998,52.559
TCK: DD2.88 R27.1 XP4.1 | length 64.6
  Top Layer w0.25: XP4.1@44.7,77.285 44.944,77.041 44.944,76.056 47.34,73.66 50.865,73.66 57.273,67.252 57.273,60.775 54.479,57.981 v1(54.479,57.473) ; DD2.88@45.09,33.49 45.092,33.488 46.46,33.488 46.605,33.343 48.129,33.343 48.51,33.724 v1(48.51,33.851)
  Bottom Layer w0.25: R27.1@44.45,75.145 44.45,77.035 XP4.1@44.7,77.285 ; v1(48.51,33.851) 48.424,33.765 48.424,33.438 47.879,32.893 46.863,32.893 46.355,33.401 46.355,34.93 54.479,43.054 v1(54.479,57.473)
TDI: DD2.95 R28.1 XP4.9 | length 63.6
  Top Layer w0.25: DD2.95@45.09,36.99 46.835,36.99 47.122,36.703 v1(47.244,36.703) ; XP4.9@54.86,77.285 54.86,71.743 58.6,68.003 58.6,58.092 v1(56.515,56.007)
  Bottom Layer w0.25: v1(47.244,36.703) 45.843,35.302 45.843,33.216 46.674,32.385 48.187,32.385 49.145,33.343 49.145,34.486 56.515,41.856 v1(56.515,56.007) ; R28.1@52.07,75.145 52.945,75.145 54.86,77.06 XP4.9@54.86,77.285
TDO: DD2.90 R30.1 XP4.3 | length 57.2
  Top Layer w0.25: DD2.90@45.09,34.49 46.736,34.49 47.113,34.867 v1(47.367,34.867) ; XP4.3@47.24,77.285 47.24,75.91 49.09,74.06 51.412,74.06 57.165,68.307 57.8,67.672 57.8,60.344 55.118,57.662 v1(55.118,56.388)
  Bottom Layer w0.25: R30.1@46.99,75.145 46.99,76.447 47.24,76.697 XP4.3@47.24,77.285 ; v1(47.367,34.867) 55.118,42.618 v1(55.118,56.388)
TMS: DD2.89 R29.1 XP4.5 | length 55.8
  Top Layer w0.25: DD2.89@45.09,33.99 46.68,33.99 46.692,33.978 v1(47.367,33.978) ; XP4.5@49.78,77.285 49.937,77.128 49.937,76.101 58.2,67.837 58.2,60.178 55.866,57.844 55.866,57.491 v1(55.816,57.44)
  Bottom Layer w0.25: v1(47.367,33.978) 55.816,42.427 55.816,56.822 55.813,56.825 55.813,57.373 55.816,57.376 v1(55.816,57.44) ; R29.1@49.53,75.145 49.53,76.447 49.78,76.697 XP4.5@49.78,77.285
USB-RX: DA3.25 HL13.K R36.1 | length 5.6
  Top Layer w0.25: v1(63.35,76.415) 63.359,76.406 64.414,76.406 HL13.K@64.424,76.396
  Bottom Layer w0.25: DA3.25@62.34,73.475 62.95,73.475 63.127,73.652 63.127,74.122 63.75,74.745 ; v1@63.369,76.396 v1(63.35,76.415) 63.75,76.015 63.75,74.745 ; R36.1@64.17,74.745 63.75,74.745
USB-TX: DA3.26 HL12.K R35.1 | length 5.2
  Top Layer w0.25: v1@63.623,71.316 HL12.K@64.805,71.316
  Bottom Layer w0.25: DA3.26@62.34,72.975 63.188,72.975 ; v1(63.75,71.316) 63.188,71.878 63.188,72.975 ; R35.1@64.424,72.967 64.416,72.975 63.188,72.975
pads on no net: DA3.1 DA3.2 DA3.10 DA3.12 DA3.13 DA3.14 DA3.15 DA3.16 DA3.17 DA3.18 DA3.19 DA3.20 DA3.21 DA3.22 DA3.23 DA3.24 DA3.27 DA3.28 DA3.29 DD2.20 HL1.0 HL2.0 HL3.0 HL4.0 HL5.0 HL6.0 HL7.0 HL8.0 HL9.0 HL10.0 HL11.0 HL12.0 HL13.0 XP1.3 XP1.4 XP1.6 XP1.20 XP1.31 XP1.32 XP4.6 XP4.7 XP4.8 XP5.22 XP5.24 XS1.4
copper on no net:
  other v1: 59.94,71.975 59.94,72.975 58.44,73.475 59.44,73.475 60.44,73.475 61.44,73.475 59.94,73.975 59.94,74.975

## Polygon pours and split planes (outlines as drawn)
GND on Top Layer "GND_L01_P002" (solid, remove dead copper, pour order 2): 0,86 69,86 69,0 0,0
GND on Bottom Layer "GND_L02_P004" (solid, remove dead copper, pour order 4): 0,86 69,86 69,0 0,0

## Keep-outs
Keep-Out Layer:
  the board outline again, w0.1

## Silkscreen, mask and mechanical layers (free items; w line width, h text height)
Mechanical 15:
  lines w0.1: 16.76,16.96 16.76,52.52 52.32,52.52 52.32,16.96 16.76,16.96 ; 19.935,20.135 49.145,20.135 49.145,49.345 19.935,49.345 19.935,20.135
  lines w0.254: -1.02,34.74 70.1,34.74 ; 34.54,6.8 34.54,85.54 ; 0,0 0,84 69.267,84 68.99,0 0,0

## Text inside footprints (layer, text, board x,y; h text height)
XP1: Top Overlay "2" at 2.79,8.07 h1.5 r90; Top Overlay "1" at 6.6,8.07 h1.5 r90; Top Overlay "34" at 2.79,60.14 h1.5 r90; Top Overlay "33" at 6.6,60.14 h1.5 r90
XP2: Top Overlay "33" at 59.94,62.68 h1.5; Top Overlay "34" at 59.94,66.49 h1.5; Top Overlay "1" at 7.87,62.68 h1.5; Top Overlay "2" at 7.87,66.49 h1.5
XP5: Top Overlay "2" at 66.29,61.41 h1.5 r270; Top Overlay "1" at 62.48,61.41 h1.5 r270; Top Overlay "34" at 66.29,9.34 h1.5 r270; Top Overlay "33" at 62.48,9.34 h1.5 r270
XP6: Top Overlay "2" at 61.21,2.99 h1.5 r180; Top Overlay "1" at 61.21,6.8 h1.5 r180; Top Overlay "34" at 14.855,1.085 h1.5 r180; Top Overlay "33" at 14.855,9.975 h1.5 r180